# Altium PCB EL6905.PcbDoc (part 1 of 2)
Units mil, origin at the board's own origin, x right, y up, seen from the top; angles counter-clockwise.
Board outline 2401.57 x 1338.58 mil, 6 copper layers (L1_TOP, L2_GND, L3_HS, L4_POWER, L5_GND, L6_BOT), stack 61.6 mil thick; 95 components, 73 nets, 323 pads, 150 vias.
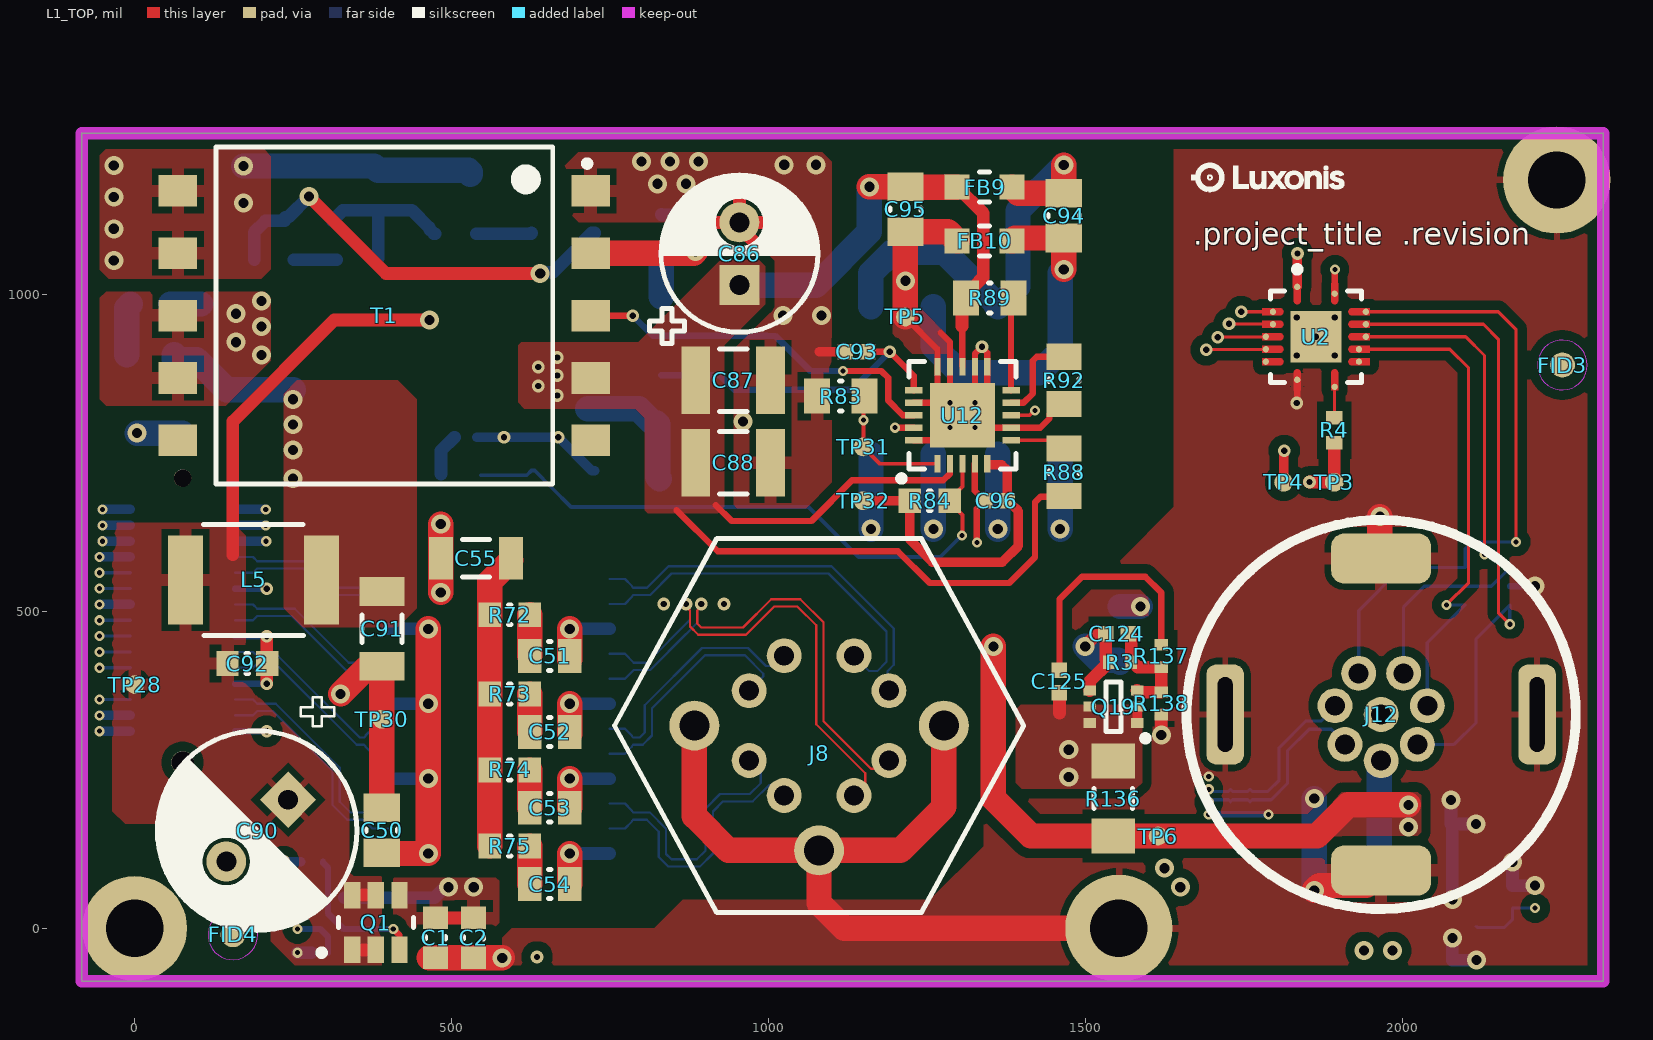
[diagram p0: L1_TOP view]
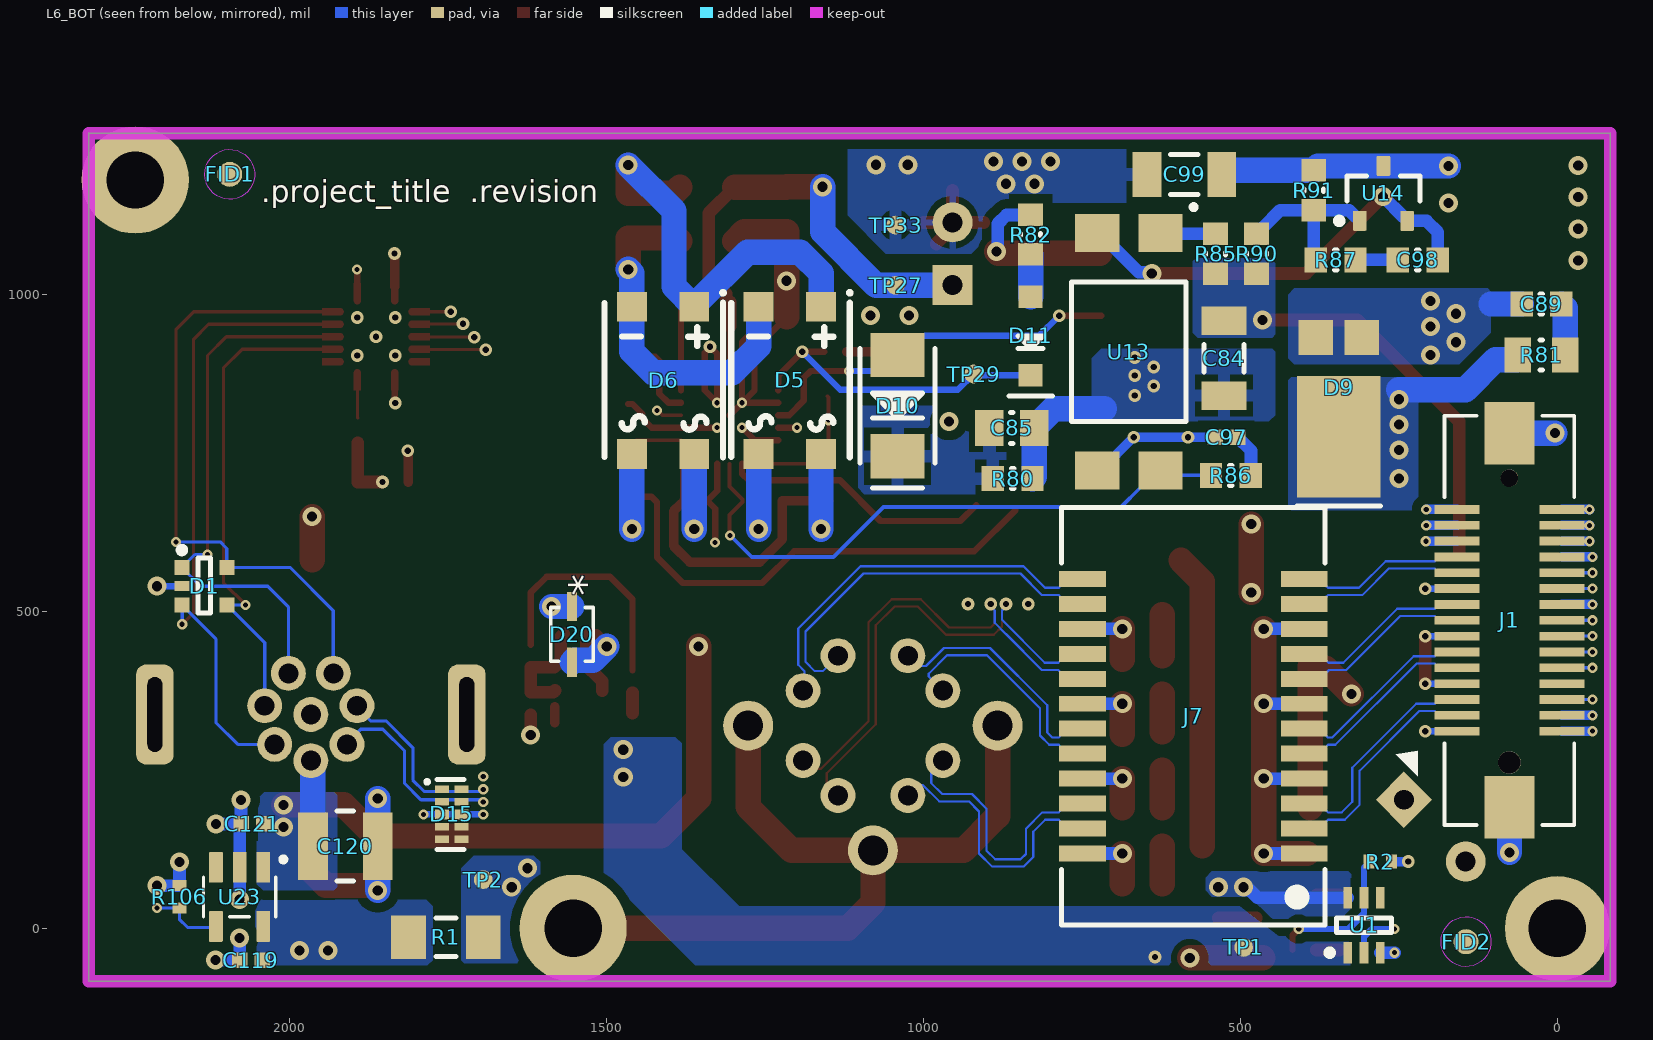
[diagram p1: L6_BOT view, seen from below]
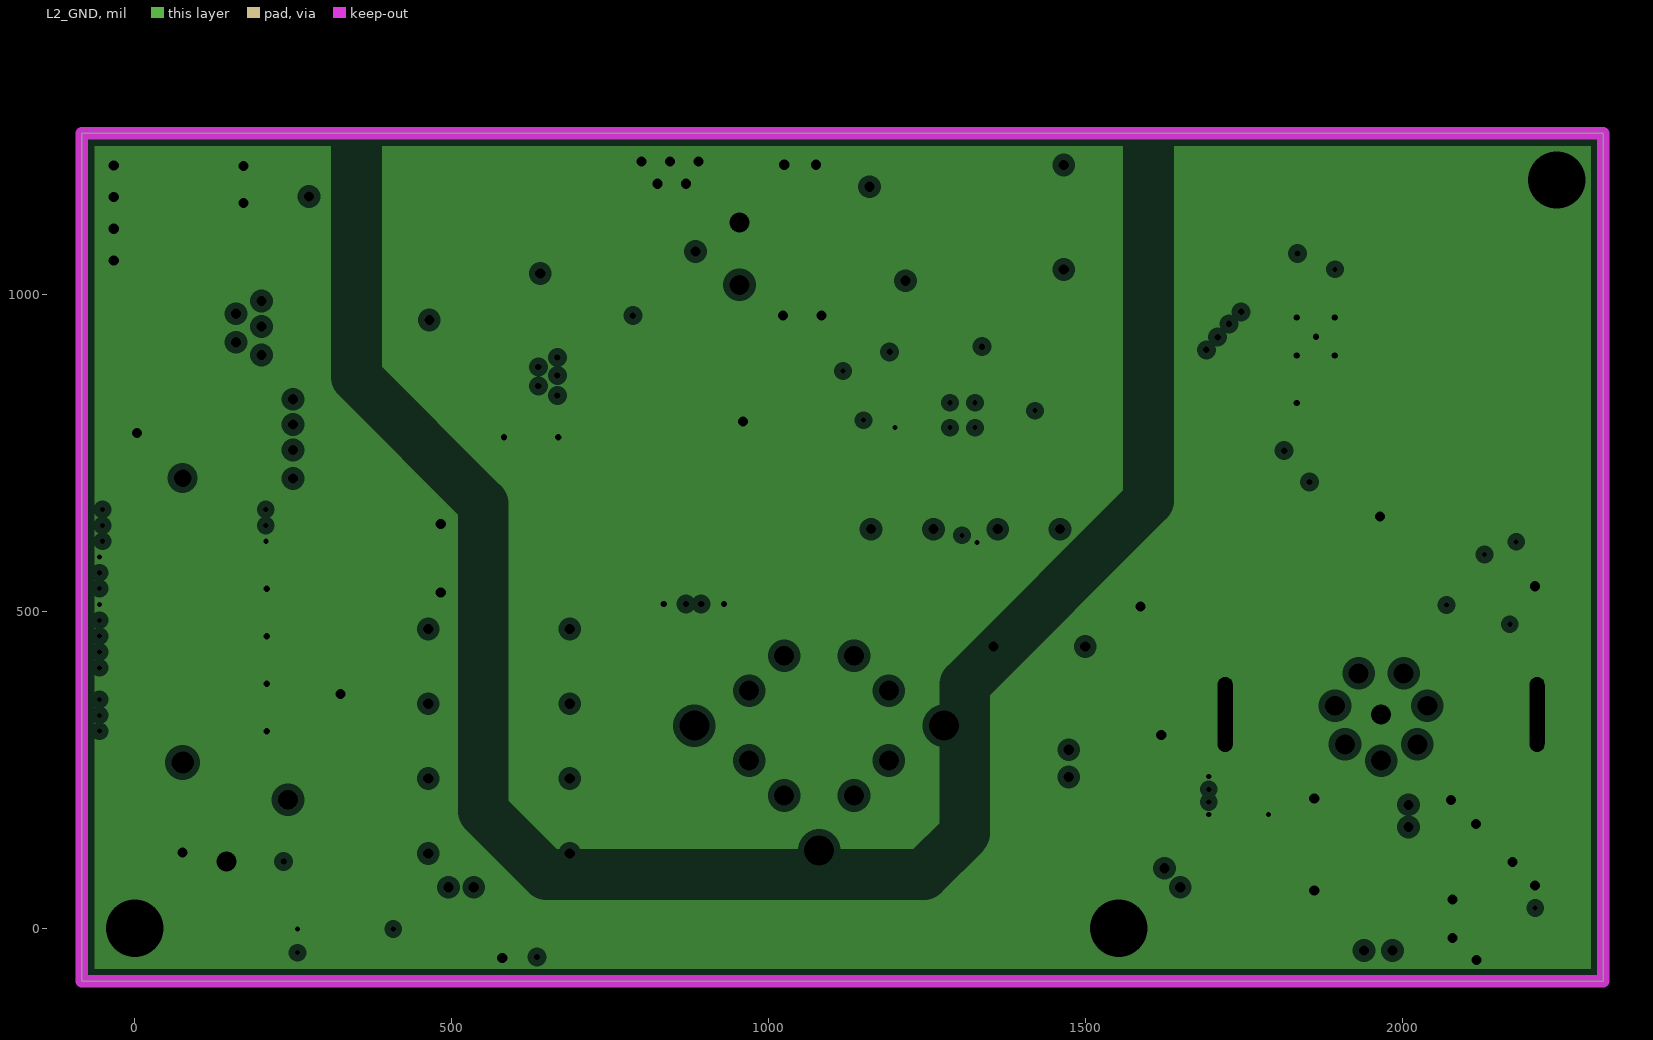
[diagram p2: L2_GND, clearances drawn from the general rule]
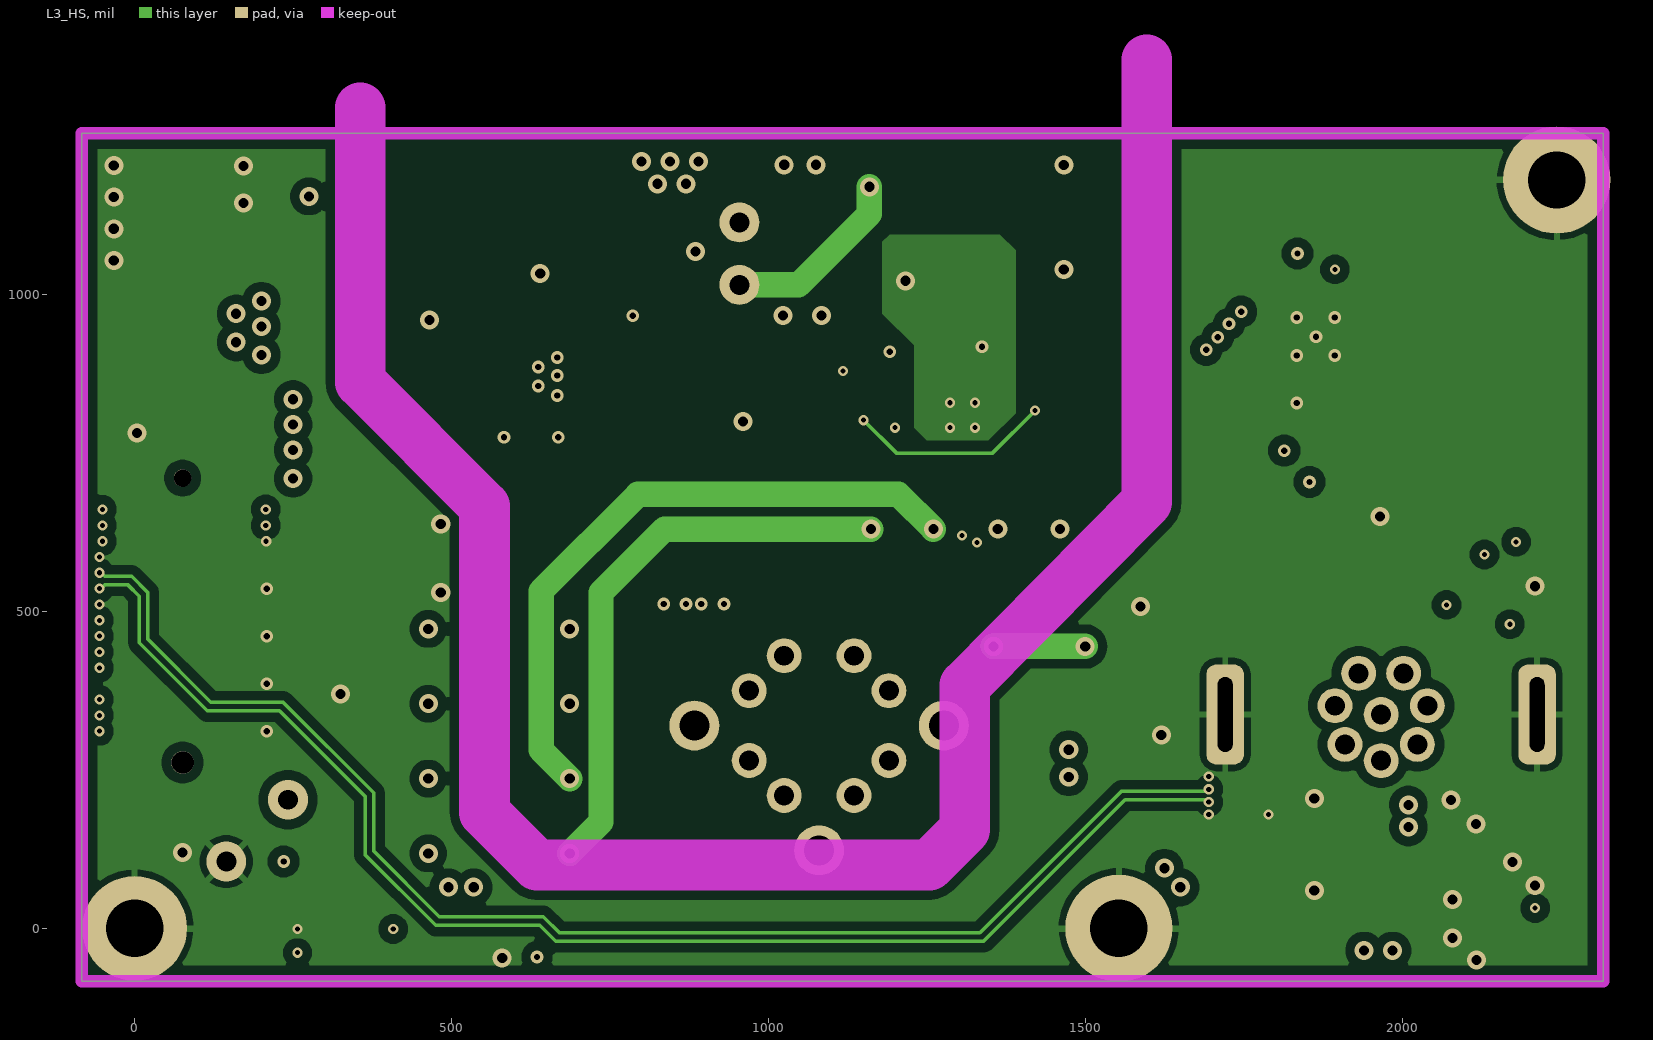
[diagram p3: L3_HS]
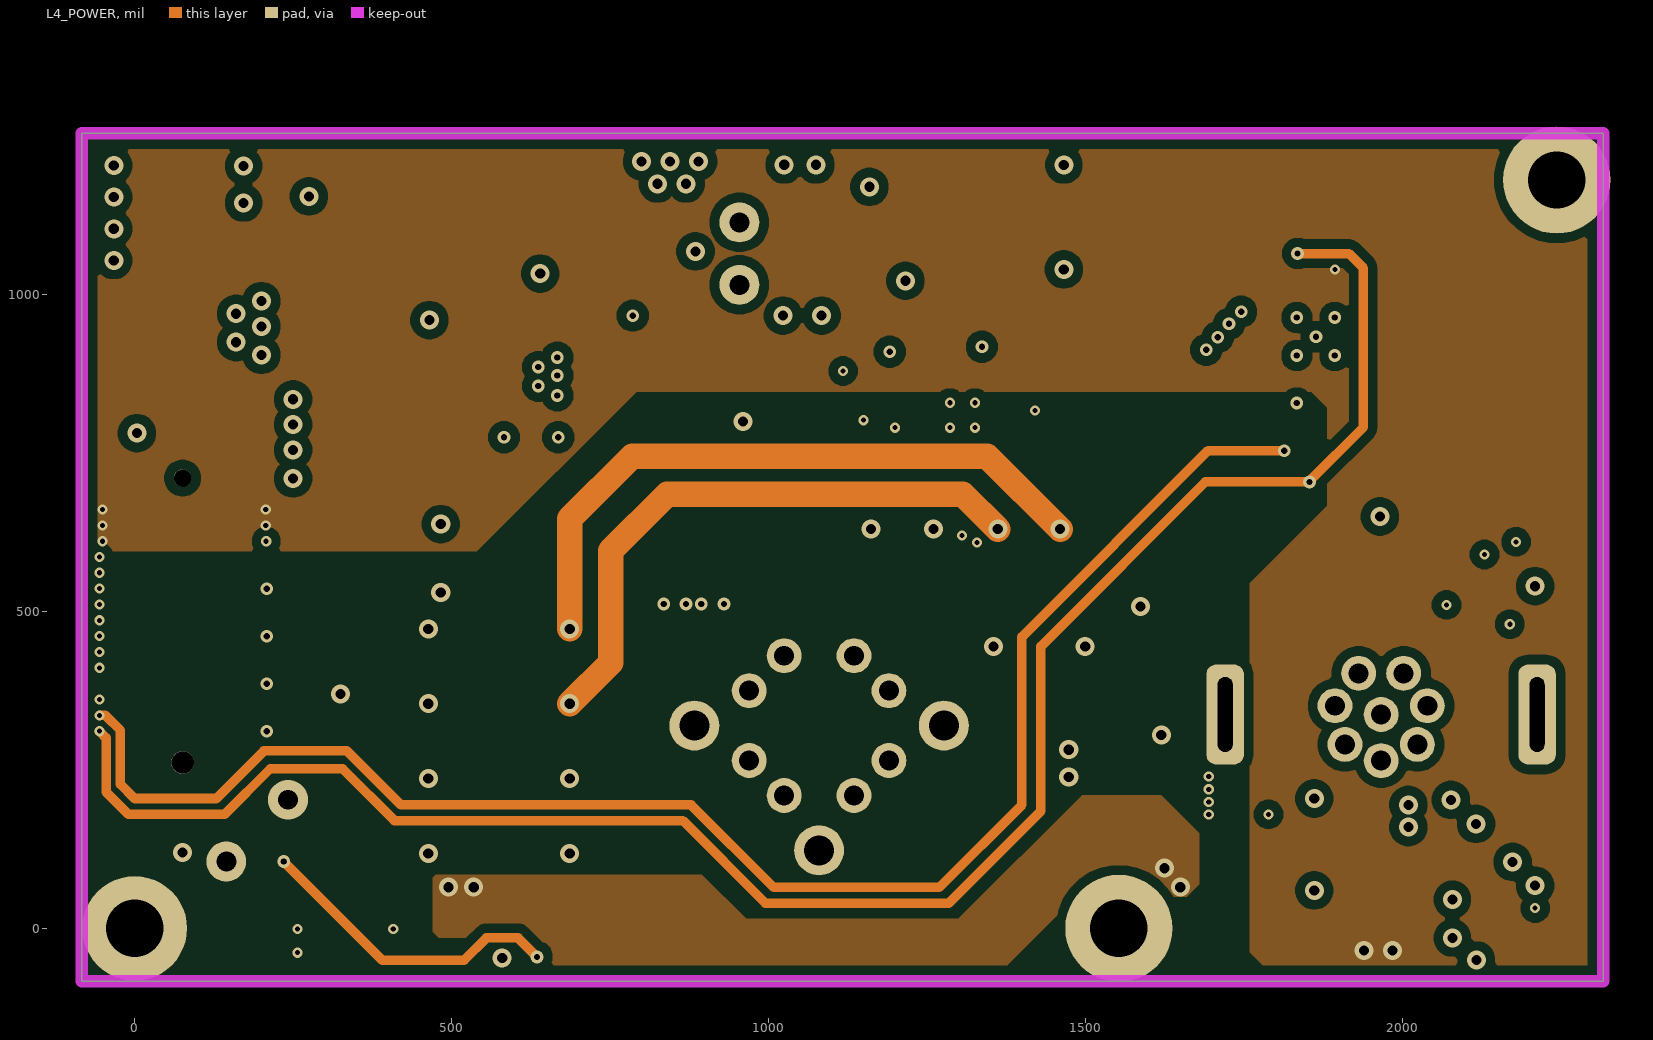
[diagram p4: L4_POWER]
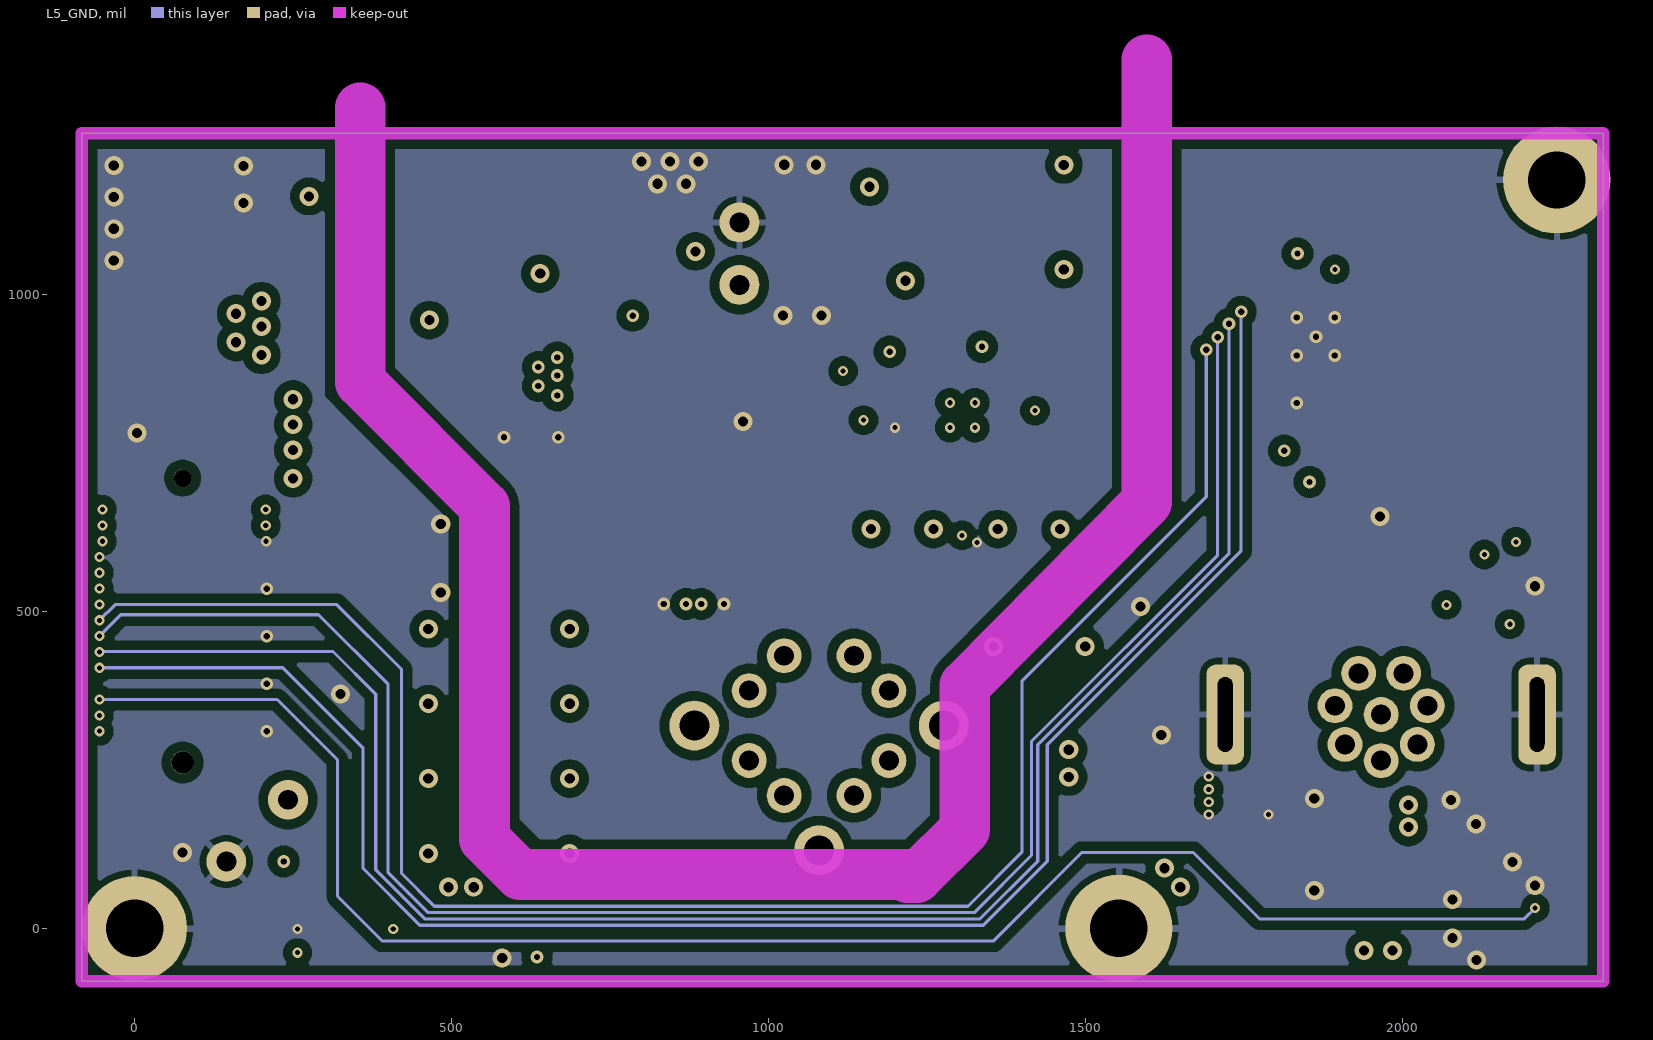
[diagram p5: L5_GND]

## Layer stack, top to bottom
Top Mask: solder mask 0.7, Solder Resist, Dk 3.8
L1_TOP: signal copper 1.4
Dielectric 1: prepreg 3, 2313, Dk 4.05
L2_GND: plane copper 1.3, net (Multiple Nets)
Core 1: core 4, FR-4, Dk 4.5
L3_HS: signal copper 1.3
core3: prepreg 39.6, 2116, Dk 4.25
L4_POWER: signal copper 1.3
Core 2: core 4, FR-4, Dk 4.5
L5_GND: signal copper 1.3
Dielectric 3: prepreg 3, 2313, Dk 4.05
L6_BOT: signal copper 1.4
Bottom Mask: solder mask 0.7, Solder Resist, Dk 3.8

## Board outline
-83.74,-83.74 -83.74,1254.84 2317.83,1254.84 2317.83,-83.74

## Design rules (kind name [scope] priority, off if disabled: settings)
AssemblyTestPointUsage [All] p1: valid=2
BoardOutlineClearance [All] p1: gap=15 ignorepadtopadclearanceinfootprint=FALSE except(0: THPad-OutlineEdge)
Clearance "DP to DP" [All] p1: gap=15 ignorepadtopadclearanceinfootprint=FALSE
Clearance "DP to other" [IsDifferentialPair] p2: gap=15 ignorepadtopadclearanceinfootprint=TRUE
Clearance PoE_GND [InNetClass('PoE') vs InNet('GND')] p3: gap=39.37 ignorepadtopadclearanceinfootprint=TRUE
Clearance PoE [InNetClass('PoE')] p4: gap=10 ignorepadtopadclearanceinfootprint=TRUE except(4: Track-SMDPad; 8: Arc-Track Track-Track)
Clearance general [All] p5: gap=4 ignorepadtopadclearanceinfootprint=TRUE except(10: Arc-Poly Track-Poly SMDPad-Poly THPad-Poly Via-Poly Fill-Poly Poly-Poly Poly-Region Poly-Text Poly-Hole)
ComponentClearance [All] p1: gap=0 collisioncheckmode=3 verticalgap=0 showdistances=FALSE
DiffPairsRouting 85ohm [InDifferentialPairClass('85ohm')] p1: maxlimit=10 minlimit=5 mostfreqgap=10 toplayer_mingap=8 toplayer_maxgap=8 toplayer_prefgap=8 toplayer_minwidth=5 toplayer_maxwidth=5 toplayer_prefwidth=5 midlayer2_mingap=8 midlayer2_maxgap=8 midlayer2_prefgap=8 midlayer2_minwidth=5.5 midlayer2_maxwidth=5.5 midlayer2_prefwidth=5.5 bottomlayer_mingap=8 bottomlayer_maxgap=8 bottomlayer_prefgap=8 bottomlayer_minwidth=5 bottomlayer_maxwidth=5 bottomlayer_prefwidth=5 impedanceprofiledriven=TRUE impedanceprofileid={86B41CE9-344F-4982-9283-744235B62342} impedanceprofilevalue=85.000000 maxuncoupledlength=500
DiffPairsRouting 100ohm [InDifferentialPairClass('100ohm')] p2: maxlimit=10.52 minlimit=5 mostfreqgap=10 toplayer_mingap=8 toplayer_maxgap=8 toplayer_prefgap=8 toplayer_minwidth=3.5 toplayer_maxwidth=3.5 toplayer_prefwidth=3.5 midlayer2_mingap=9 midlayer2_maxgap=9 midlayer2_prefgap=9 midlayer2_minwidth=4 midlayer2_maxwidth=4 midlayer2_prefwidth=4 bottomlayer_mingap=8 bottomlayer_maxgap=8 bottomlayer_prefgap=8 bottomlayer_minwidth=3.5 bottomlayer_maxwidth=3.5 bottomlayer_prefwidth=3.5 impedanceprofiledriven=TRUE impedanceprofileid={980D49B1-4842-4C85-BE42-F6056FE0C244} impedanceprofilevalue=100.000000 maxuncoupledlength=500
FabricationTestPointUsage [All] p1: valid=2 allowmultiple=FALSE
HoleSize [All] p1: absolutevalues=TRUE maxlimit=150 minlimit=7.95 maxpercent=80.000 minpercent=20.000
HoleToHoleClearance [All] p1: gap=10 allowstackedmicrovias=FALSE
MatchedLengths DIFF_PAIR_100 [InDifferentialPairClass('100ohm')] p1: tolerance=1000 checknetsindiffpair=TRUE checkdiffpairvsdiffpair=FALSE checkxsignals=FALSE checkothers=FALSE usedelayunits=TRUE delaytolerance=1.000000
MatchedLengths USB [InxSignalClass('USB')] p2: tolerance=50 checknetsindiffpair=TRUE checkdiffpairvsdiffpair=FALSE checkxsignals=FALSE checkothers=FALSE usedelayunits=TRUE delaytolerance=1.000000
MatchedLengths PCIe_XSIG [InxSignalClass('XSIG_PCIe')] p3: tolerance=3.94 checknetsindiffpair=TRUE checkdiffpairvsdiffpair=FALSE checkxsignals=FALSE checkothers=FALSE usedelayunits=TRUE delaytolerance=0.500000
MatchedLengths SPI [InNetClass('QSPI')] p4: tolerance=1000 checknetsindiffpair=FALSE checkdiffpairvsdiffpair=TRUE checkxsignals=TRUE checkothers=TRUE usedelayunits=TRUE delaytolerance=10.000000
MatchedLengths SDIO [InNetClass('SDIO')] p5: tolerance=1000 checknetsindiffpair=FALSE checkdiffpairvsdiffpair=TRUE checkxsignals=TRUE checkothers=TRUE usedelayunits=TRUE delaytolerance=10.000000
MatchedLengths MIPI_A [InNetClass('MIPI_CAM_A')] p6: tolerance=1000 checknetsindiffpair=FALSE checkdiffpairvsdiffpair=TRUE checkxsignals=TRUE checkothers=TRUE usedelayunits=TRUE delaytolerance=1.000000
MatchedLengths MIPI_B [InNetClass('MIPI_CAM_B')] p7: tolerance=1000 checknetsindiffpair=FALSE checkdiffpairvsdiffpair=TRUE checkxsignals=TRUE checkothers=TRUE usedelayunits=TRUE delaytolerance=1.000000
MatchedLengths MIPI_C [InNetClass('MIPI_CAM_C')] p8: tolerance=1000 checknetsindiffpair=FALSE checkdiffpairvsdiffpair=TRUE checkxsignals=TRUE checkothers=TRUE usedelayunits=TRUE delaytolerance=1.000000
MinimumSolderMaskSliver USB3_Connector [HasFootprint('105450-0101')  OR HasFootprint('CX80B1-24P') OR HasFootprint('TPD4E02B04DQAR')  OR HasFootprint('RTL8111HX-CG')] p1: minsoldermaskwidth=0.1
MinimumSolderMaskSliver RTL8111 [HasFootprint('CX80B1-24P')] p2: minsoldermaskwidth=0.1
MinimumSolderMaskSliver [All] p3: minsoldermaskwidth=1
PlaneClearance [All] p1: clearance=10
PlaneConnect [All] p1: pad.planeconnectstyle=Relief pad.reliefexpansion=20 pad.reliefentries=4 pad.reliefconductorwidth=10 pad.reliefairgap=10 via.planeconnectstyle=Direct via.reliefexpansion=20 via.reliefentries=4 via.reliefconductorwidth=10 via.reliefairgap=10
PolygonConnect DirectConnect [InPolygonClass('DirectConnectPoly')  or InPadClass('full')] p1: connectstyle=Direct reliefconductorwidth=10 reliefentries=4 polygonreliefangle="90 Angle" airgapwidth=10
PolygonConnect OuterLayerGND_PolyClass [InPolygonClass('OuterLayerGND')] p2: thpad.connectstyle=Relief thpad.reliefconductorwidth=10 thpad.reliefentries=4 thpad.polygonreliefangle="90 Angle" thpad.airgapwidth=10 smdpad.connectstyle=Direct smdpad.reliefconductorwidth=10 smdpad.reliefentries=4 smdpad.polygonreliefangle="90 Angle" smdpad.airgapwidth=10 via.connectstyle=Direct via.reliefconductorwidth=10 via.reliefentries=4 via.polygonreliefangle="90 Angle" via.airgapwidth=10
PolygonConnect PoE_Poly [InPolygonClass('PoE_Poly')] p3: thpad.connectstyle=Direct thpad.reliefconductorwidth=10 thpad.reliefentries=4 thpad.polygonreliefangle="90 Angle" thpad.airgapwidth=10 smdpad.connectstyle=Relief smdpad.reliefconductorwidth=20 smdpad.reliefentries=4 smdpad.polygonreliefangle="90 Angle" smdpad.airgapwidth=10 via.connectstyle=Direct via.reliefconductorwidth=10 via.reliefentries=4 via.polygonreliefangle="90 Angle" via.airgapwidth=10
PolygonConnect Default [All] p4: thpad.connectstyle=Relief thpad.reliefconductorwidth=10 thpad.reliefentries=4 thpad.polygonreliefangle="90 Angle" thpad.airgapwidth=10 smdpad.connectstyle=Relief smdpad.reliefconductorwidth=20 smdpad.reliefentries=4 smdpad.polygonreliefangle="90 Angle" smdpad.airgapwidth=10 via.connectstyle=Direct via.reliefconductorwidth=10 via.reliefentries=4 via.polygonreliefangle="90 Angle" via.airgapwidth=10
RoutingVias [All] p1: holewidth=10 width=20 viastyle="Through Hole" minholewidth=8 minwidth=16 maxholewidth=16 maxwidth=30 viatemplateguid#1={1F33CDC9-E0EB-4C29-BAD0-8F9514B17626} viatemplatename#1=v41h20m0mx0
SilkToSilkClearance [All] p1: silktosilkclearance=1
SilkToSolderMaskClearance SilkscreenOverComponentException [InComponent('U15')] p1: minsilkscreentomaskgap=1 clearancetoexposedcopper=TRUE
SilkToSolderMaskClearance SilkscreenOverComponentPads [IsPad] p2: minsilkscreentomaskgap=1 clearancetoexposedcopper=FALSE
SolderMaskExpansion VIA [IsVia] p1: expansion=4 istentingtop=TRUE
SolderMaskExpansion [All] p2: expansion=2 istentingtop=FALSE
UnRoutedNet [All] p1: checkbadconnections=TRUE
Width "Schematic Width Constraint" [InNetClass('PoE')] p1: maxlimit=50 minlimit=4 preferedwidth=15
Width [All] p2: maxlimit=100 minlimit=4 preferedwidth=5 toplayer_minwidth=4.3 toplayer_maxwidth=40 toplayer_prefwidth=4.3 midlayer2_minwidth=4.5 midlayer2_maxwidth=40 midlayer2_prefwidth=4.5 midlayer3_minwidth=4.5 midlayer3_maxwidth=40 midlayer3_prefwidth=4.5 bottomlayer_minwidth=4.3 bottomlayer_maxwidth=40 bottomlayer_prefwidth=4.3 impedanceprofiledriven=TRUE impedanceprofileid={59F7C8B1-EEC4-4BEB-AE0F-907CD8C4E45C} impedanceprofilevalue=50.000000 minimp=50.000000 maximp=50.000000 favimp=50.000000
18 further rules are at their usual default settings.
